# KiCad board ZakladniElektronika.kicad_pcb (continued)
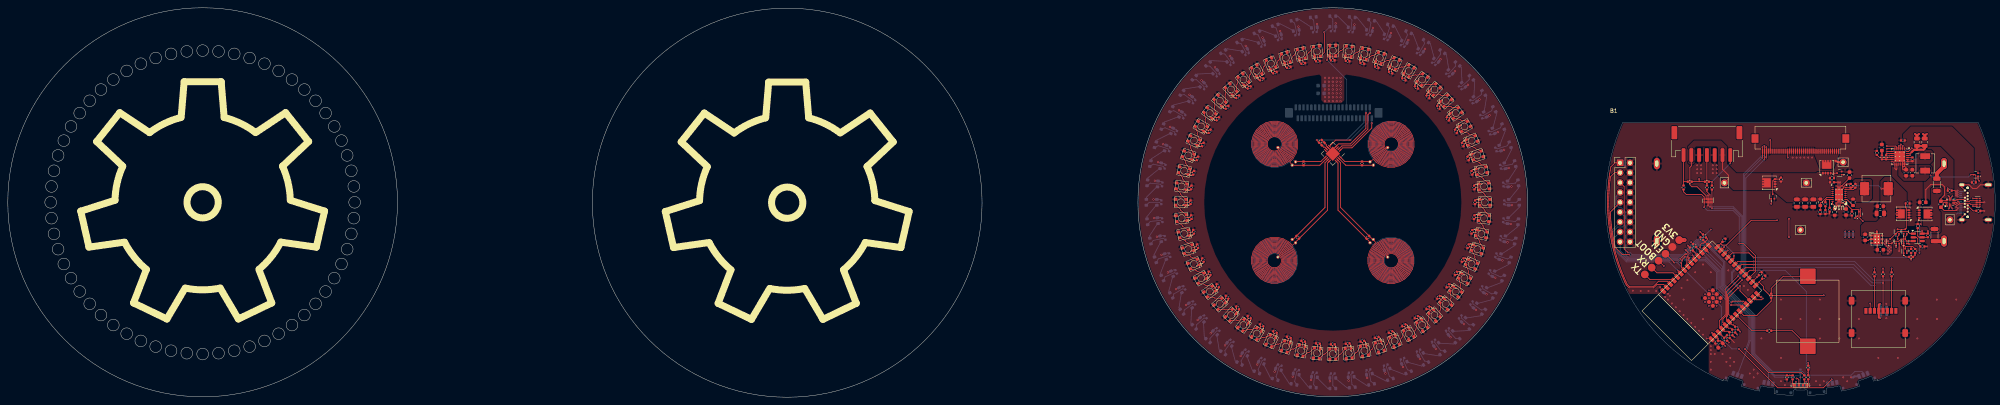
[diagram p0: board, top side]
## Nets (continued)
Net-(D118-DOUT): D118.2 D119.4
Net-(D119-DOUT): D119.2 D120.4
Net-(D125-BK): D125.4 R28.1
Net-(D125-GK): D125.3 R5.1
Net-(D125-RK): D125.2 R11.1
Net-(F1-Pad2): F1.2 U14.3
Net-(F2-Pad2): F2.2 U14.1
Net-(J4-Pin_1): J4.1 R29.1 R48.1
Net-(J4-Pin_4): J4.4 R30.1
Net-(J4-Pin_7): J4.7 R45.1 R49.1
Net-(Q1-D): Q1.3 R1.2 U9.4
Net-(Q2-D): Q2.3 R32.2 U15.4
Net-(Q4-D): Q4.3 Q5.1 U12.1
Net-(Q4-G): Q4.1 Q4.2 Q6.1 Q7.1 Q8.3 R51.2 R52.1
Net-(Q5-D): Q5.3 Q6.3 R40.2 U8.4
Net-(Q6-S): Q6.2 Q7.3 Q8.1 R50.1
Net-(Q9-G): Q9.1 U12.3
Net-(Q28-D): Q5.2 Q28.3
Net-(U1-IN0A): C8.1 L1.2 U1.9
Net-(U1-IN0B): C8.2 L1.1 U1.10
Net-(U1-IN1A): C9.1 L2.2 U1.11
Net-(U1-IN1B): C9.2 L2.1 U1.12
Net-(U1-IN2A): C10.1 L3.2 U1.13
Net-(U1-IN2B): C10.2 L3.1 U1.14
Net-(U1-IN3A): C11.1 L4.2 U1.15
Net-(U1-IN3B): C11.2 L4.1 U1.16
Net-(U3-BTST): C6.2 U3.21
Net-(U3-ILIM): R19.1 U3.10
Net-(U3-PMID): C147.1 C151.1 U3.23
Net-(U3-REGN): C7.1 R20.1 U3.22
Net-(U3-TS): R20.2 R21.2 U3.11
Net-(U7-D): F1.1 F2.1 U7.5
Net-(U12-VCC): C144.1 R26.2 U12.5
Net-(U12-VM): R34.2 U12.2
Net-(U16-BOOT): C148.2 U16.8
Net-(U16-COMP): C158.1 R56.1 U16.18
Net-(U16-FB): R57.2 R58.2 U16.17
Net-(U16-FSW): R54.2 U16.3
Net-(U16-ILIM): R55.1 U16.19
Net-(U16-SS): C150.1 U16.10
Net-(U16-VCC): C155.1 U16.1

Pads without a net: J2 A2 A3 A8 A10 A11 B2 B3 B8 B10 B11; J4 MP; J5 1 8; J10 0 28 29 30 31 32 33 34 35; J11 28 29 30 31 32 33 34 35 MP; L1 -1; L2 -1; L3 -1; L4 -1; SW1 0; SW2 0; SW3 0; SW4 0; SW5 0; U3 12; U5 7; U10 3; U12 4; U13 6 7 9 10; U16 11 12 13

## Via types
v1: diameter 0.45, hole 0.2, Top to Bottom, 277 vias
v2: diameter 0.5, hole 0.3, Top to Bottom, 160 vias

## Routing (per net, layer and track width the routed paths; a pad name or vN(x,y) marks a point on that pad's centre or on a via; arc(x,y) is an arc through that point)
/HlavniDeska/3V3: length 67.9
  Top w0.2: R41.1 v1(479,33.1) ; v1(444.55,16.85) 444.01,17.39 R39.1 ; v1(441.65,14.05) 441.17,14.53 R10.1 ; v1(431.95,39.85) 432.44,39.36 R16.1 ; R9.1 435,41.81 v1(434.3,42.51) ; R37.1 443.26,16.64 v1(443.8,16.1) ; R36.1 v1(481.2,33.1) ; R38.1 442.56,15.94 v1(443.1,15.4) ; v1(437.29,16.61) 438.09,15.81 U11.2 438.09,15.8 438.86,15.03 C135.2 439.4,14.49 C134.2 440.05,13.85 v1(440.75,13.15) ; J11.36 452.25,66.09 v1(452.26,66.1) ; v1(459,4.81) 459.29,4.81 459.61,4.49 D125.1 ; R35.1 v1(483.4,33.1) ; R51.1 v1(489.45,36.59) R50.2 ; R45.2 434,55.4 ; 434,55.4 v1(434,56.1) ; 434,55.4 R48.2 ; R17.1 v1(431.1,39)
  Top w0.5: v1(480.35,24) 480.1,23.74 J5.4 480.1,20.55 v1(480.35,20.3)
  Top w1: v1(430.3,40.4) J7.1
  In1.Cu w0.09: v1(482.85,37.3) 483.8,36.35 489.21,36.35 v1(489.45,36.59)
  In1.Cu w0.2: v1(434,56.1) 434,60.1 440,66.1 v1(452.26,66.1)
  Bottom w0.5: v1(473.5,41.1) v1(473.5,42.6) ; C136.1 480.52,23.82 v1(480.35,24) ; v1(472.5,41.1) v1(472.5,42.6) ; v1(471.5,41.1) v1(471.5,42.6) ; v1(480.35,20.3) 480.52,20.47 C137.1
  vias: v1(435.53,26.47) v1(435.52,24.49) v1(436.52,27.46) v1(436.52,25.48) v1(436.51,23.5) v1(437.5,26.48) v1(437.5,24.49) v1(438.5,25.49) v1(438.5,23.5) v1(438.77,15.12) v1(439.49,24.5) v1(439.52,14.37) v1(481.65,40.1) v1(481.65,39.35) v1(482.05,40.5) v1(482.05,39.75) v1(482.05,38.9) v1(482.45,40.1) v1(482.45,38.5) v1(482.45,37.7) v1(482.45,36.9) v1(482.85,38.9) v1(482.85,38.1) v1(483.25,38.5) v1(483.25,37.7)
/HlavniDeska/5V-OUT: length 2.1
  Top w0.5: 468.95,60.75 469.75,60.4 TP10.1
/HlavniDeska/ModulovyKonektor/5V: length 22.2
  Top w0.2: TP11.1 441.5,56.1 441.5,57.1 440,58.6 J4.2 ; J4.6 432,59.45 431.64,59.09 431.64,54.61 432.15,54.1 433.5,54.1 435.8,51.8 435.8,50.88
/HlavniDeska/SpravceNapajeni/5V-IN: length 0
  Top w0.2: 454.98,55.42 R1.1
/HlavniDeska/SpravceNapajeni/Power multiplier/VCC: length 11.7
  Top w0.2: U16.9 472.88,53.85 C146.1 473.37,53.87 473.5,54 v1(473.5,54.35) ; L5.1 v1(480.8,53.6)
  Bottom w0.2: v1(473.5,54.35) 480.05,54.35 v1(480.8,53.6)
/LedDeska/3V3: length 18.6
  Top w0.2: U1.7 337.97,64.28 337.64,64.28 C4.1 C3.1 335.9,66.02 v2(335.9,66.1)
  Bottom w0.2: v2(335.9,66.1) 343.5,66.1 348,70.6 J10.36
/LedDeska/5V: length 439.7
  Top w0.2: C65.1 314.8,76.93 314.25,77.54 D54.1 ; D58.1 327.64,85.64 327.89,84.85 C69.1 ; D58.1 v2(327.39,86.48) D58.1 ; C35.1 365.2,23.27 365.75,22.66 D24.1 ; D52.1 v2(308.41,72.12) D52.1 ; D52.1 309.11,71.59 309.78,71.1 C63.1 ; D7.1 361.49,80.99 361,80.32 C18.1 ; D7.1 v2(362.02,81.69) D7.1 ; D40.1 v2(309.29,26.86) D40.1 ; D40.1 310.02,27.36 310.69,27.85 C51.1 ; D33.1 v2(332.73,12.29) D33.1 ; D33.1 332.94,13.14 333.11,13.95 C44.1 ; C36.1 362.25,20.79 362.74,20.12 D25.1 ; D15.1 v2(378.21,54.87) D15.1 ; D15.1 377.34,54.8 376.51,54.72 C26.1 ; D22.1 v2(371.59,28.08) D22.1 ; D22.1 370.89,28.61 370.22,29.1 C33.1 ; D54.1 v2(313.68,78.21) D54.1 ; D32.1 v2(336.72,11.73) D32.1 ; D32.1 336.84,12.6 336.92,13.43 C43.1 ; C30.1 375.23,39.47 376.02,39.21 D19.1 ; D24.1 v2(366.32,21.99) D24.1 ; D18.1 v2(377.81,42.83) D18.1 ; D18.1 376.96,43.04 376.15,43.21 C29.1 ; C38.1 355.67,16.8 356.01,16.04 D27.1 ; D4.1 350.89,86.12 350.63,85.33 C15.1 ; D4.1 v2(351.18,86.95) D4.1 ; D57.1 v2(323.66,84.97) D57.1 ; D57.1 323.99,84.16 324.33,83.4 C68.1 ; D2.1 v2(343.28,88.47) D2.1 ; D2.1 343.16,87.6 343.08,86.77 C13.1 ; D9.1 v2(368.11,76.42) D9.1 ; D9.1 367.44,75.85 366.83,75.3 C20.1 ; D3.1 347.06,87.06 346.89,86.25 C14.1 ; D3.1 v2(347.27,87.91) D3.1 ; D21.1 v2(373.72,31.5) D21.1 ; D21.1 372.97,31.96 372.25,32.37 C32.1 ; C59.1 303.85,56.99 303.04,57.16 D48.1 ; D41.1 v2(307.03,30.2) D41.1 ; D41.1 307.8,30.62 308.52,31.03 C52.1 ; C48.1 319,19.88 318.51,19.21 D37.1 ; C28.1 376.67,47.02 377.5,46.94 D17.1 ; D16.1 v2(378.5,50.85) D16.1 ; D16.1 377.62,50.88 376.8,50.88 C27.1 ; D50.1 v2(304.52,65.07) D50.1 ; D50.1 305.31,64.7 306.07,64.36 C61.1 ; D46.1 v2(301.5,49.35) D46.1 ; D46.1 302.38,49.32 303.2,49.32 C57.1 ; D31.1 v2(340.75,11.6) D31.1 ; D31.1 340.77,12.47 340.77,13.3 C42.1 ; C31.1 373.93,35.84 374.69,35.5 D20.1 ; D13.1 v2(376.38,62.71) D13.1 ; D13.1 375.54,62.46 374.75,62.21 C24.1 ; D8.1 364.6,78.58 364.04,77.96 C19.1 ; D8.1 v2(365.2,79.21) D8.1 ; C17.1 357.73,82.35 358.14,83.07 D6.1 ; C47.1 322.27,17.85 321.86,17.13 D36.1 ; D5.1 v2(354.97,85.58) D5.1 ; D5.1 354.6,84.79 354.26,84.03 C16.1 ; D30.1 v2(344.77,11.89) D30.1 ; D30.1 344.7,12.76 344.62,13.59 C41.1 ; D28.1 v2(352.61,13.72) D28.1 ; D28.1 352.36,14.56 352.11,15.35 C39.1 ; D43.1 v2(303.62,37.49) D43.1 ; D43.1 304.46,37.74 305.25,37.99 C54.1 ; D14.1 v2(377.5,58.84) D14.1 ; D14.1 376.64,58.68 375.83,58.51 C25.1 ; D42.1 v2(305.13,33.76) D42.1 ; D42.1 305.94,34.09 306.7,34.43 C53.1 ; D29.1 v2(348.74,12.6) D29.1 ; D29.1 348.58,13.46 348.41,14.27 C40.1 ; D47.1 v2(301.63,53.38) D47.1 ; D47.1 302.5,53.26 303.33,53.18 C58.1 ; D11.1 v2(372.97,70) D11.1 ; D11.1 372.2,69.58 371.48,69.17 C22.1 ; D51.1 v2(306.28,68.7) D51.1 ; D51.1 307.03,68.24 307.75,67.83 C62.1 ; C64.1 312.14,74.14 311.52,74.7 D53.1 ; D34.1 329.11,14.08 329.37,14.87 C45.1 ; D34.1 v2(328.82,13.25) D34.1 ; D27.1 v2(356.34,15.23) D27.1 ; D35.1 v2(325.03,14.62) D35.1 ; D35.1 325.4,15.41 325.74,16.17 C46.1 ; D53.1 v2(310.89,75.3) D53.1 ; D59.1 331.42,86.74 331.59,85.93 C70.1 ; D59.1 v2(331.26,87.6) D59.1 ; D45.1 v2(301.79,45.33) D45.1 ; D45.1 302.66,45.4 303.49,45.48 C56.1 ; D25.1 v2(363.24,19.39) D25.1 ; D44.1 303.36,41.52 304.17,41.69 C55.1 ; D44.1 v2(302.5,41.36) D44.1 ; D23.1 v2(369.11,24.9) D23.1 ; D23.1 368.48,25.5 367.86,26.06 C34.1 ; D39.1 312.56,24.35 313.17,24.9 C50.1 ; D39.1 v2(311.89,23.78) D39.1 ; D55.1 v2(316.76,80.81) D55.1 ; D55.1 317.26,80.08 317.75,79.41 C66.1 ; D60.1 v2(335.23,88.31) D60.1 ; D60.1 335.3,87.44 335.38,86.61 C71.1 ; D26.1 v2(359.9,17.13) D26.1 ; D26.1 359.48,17.9 359.07,18.62 C37.1 ; D37.1 v2(317.98,18.51) D37.1 ; D12.1 v2(374.87,66.44) D12.1 ; D12.1 374.06,66.11 373.3,65.77 C23.1 ; D56.1 320.52,82.3 320.93,81.58 C67.1 ; D56.1 v2(320.1,83.07) D56.1 ; D20.1 v2(375.48,35.13) D20.1 ; C21.1 369.31,72.35 369.98,72.84 D10.1 ; D19.1 v2(376.85,38.92) D19.1 ; D36.1 v2(321.4,16.38) D36.1 ; D49.1 v2(303.15,61.28) D49.1 ; D49.1 303.98,60.99 304.77,60.73 C60.1 ; v2(339.25,88.6) D1.1 339.23,87.72 339.23,86.89 C12.1 ; D6.1 v2(358.6,83.82) D6.1 ; D17.1 v2(378.37,46.82) D17.1 ; C49.1 315.96,22.24 315.4,21.62 D38.1 ; D38.1 v2(314.8,20.99) D38.1 ; D10.1 v2(370.71,73.34) D10.1 ; D48.1 v2(302.19,57.37) D48.1
  Bottom w0.2: C111.1 304.01,23.96 301.9,22.42 D100.1 ; D64.1 354.55,94.89 353.75,92.4 C75.1 ; D77.1 386.84,45.18 384.24,45.45 C88.1 ; C122.1 301.48,72.34 299.21,73.65 D111.1 ; D96.1 316.45,9.31 317.76,11.58 C107.1 ; D90.1 344.92,3.26 344.65,5.86 C101.1 ; D107.1 293.16,55.02 295.76,54.75 C118.1 ; D103.1 295.21,35.55 297.7,36.35 C114.1 ; C130.1 330.75,93.61 330.21,96.17 D119.1 ; C83.1 380.63,68.19 383.03,69.26 D72.1 ; C87.1 384.48,50.1 387.1,50.1 D76.1 ; C99.1 353.75,7.8 354.55,5.31 D88.1 ; D70.1 378.1,77.78 375.99,76.24 C81.1 ; C72.1 340,94.58 340,97.2 D61.1 ; D85.1 367.68,12 366.14,14.11 C96.1 ; D108.1 293.93,59.89 296.49,59.35 C119.1 ; D101.1 299.21,26.55 301.48,27.86 C112.1 ; C104.1 330.75,6.59 330.21,4.03 D93.1 ; D81.1 380.79,26.55 378.52,27.86 C92.1 ; D110.1 296.97,69.26 299.37,68.19 C121.1 ; D83.1 375,18.58 373.06,20.34 C94.1 ; D105.1 293.16,45.18 295.76,45.45 C116.1 ; D80.1 383.03,30.94 380.63,32.01 C91.1 ; C110.1 306.94,20.34 305,18.58 D99.1 ; C129.1 326.25,92.4 325.45,94.89 D118.1 ; D102.1 296.97,30.94 299.37,32.01 C113.1 ; C128.1 321.91,90.73 320.84,93.13 D117.1 ; D87.1 359.16,7.07 358.09,9.47 C98.1 ; C78.1 366.14,86.09 367.68,88.2 D67.1 ; C123.1 304.01,76.24 301.9,77.78 D112.1 ; D78.1 386.07,40.31 383.51,40.85 C89.1 ; D89.1 349.79,4.03 349.25,6.59 C100.1 ; C90.1 382.3,36.35 384.79,35.55 D79.1 ; D68.1 371.52,85.1 369.76,83.16 C79.1 ; D95.1 320.84,7.07 321.91,9.47 C106.1 ; C105.1 326.25,7.8 325.45,5.31 D94.1 ; D115.1 312.32,88.2 313.86,86.09 C126.1 ; D120.1 335.08,96.94 335.35,94.34 C131.1 ; C95.1 369.76,17.04 371.52,15.1 D84.1 ; C102.1 340,5.62 340,3 D91.1 ; C74.1 349.25,93.61 349.79,96.17 D63.1 ; C97.1 362.24,11.58 363.55,9.31 D86.1 ; C76.1 358.09,90.73 359.16,93.13 D65.1 ; D97.1 312.32,12 313.86,14.11 C108.1 ; C80.1 373.06,79.86 375,81.62 D69.1 ; D116.1 316.45,90.89 317.76,88.62 C127.1 ; D113.1 305,81.62 306.94,79.86 C124.1 ; C86.1 384.24,54.75 386.84,55.02 D75.1 ; C84.1 382.3,63.85 384.79,64.65 D73.1 ; D109.1 295.21,64.65 297.7,63.85 C120.1 ; D98.1 308.48,15.1 310.24,17.04 C109.1 ; D66.1 363.55,90.89 362.24,88.62 C77.1 ; D82.1 378.1,22.42 375.99,23.96 C93.1 ; D62.1 344.92,96.94 344.65,94.34 C73.1 ; D114.1 308.48,85.1 310.24,83.16 C125.1 ; C82.1 378.52,72.34 380.79,73.65 D71.1 ; D106.1 292.9,50.1 295.52,50.1 C117.1 ; C103.1 335.35,5.86 335.08,3.26 D92.1 ; D104.1 293.93,40.31 296.49,40.85 C115.1 ; C85.1 383.51,59.35 386.07,59.89 D74.1
GND: length 137.9
  Top w0.09: 483.51,59.91 U3.25 U3.25
  Top w0.2: v1(469.62,55.25) C149.2 ; v1(469.62,55.25) U16.0 ; v1(469.62,55.25) v1(470.18,55.25) U16.0 ; 486.75,59.34 487.1,58.99 C161.2 486.39,58.47 486.25,58.62 486.25,59.34 ; 486.75,59.34 486.25,59.34 ; 486.75,59.34 U3.18 ; C146.2 471.83,54.83 471,54 471,53.7 U16.0 ; v1(492.7,42.7) C144.2 491.27,42.08 U12.6 v1(491.24,42.69) ; 486.25,59.34 U3.17 ; U3.17 U3.18 ; U3.17 486.25,61.15 U3.25 ; Q7.2 487.75,39.52 v1(487.95,39.33) ; J2.B12 501.41,53.95 J2.S1 503.26,54.6 504.18,53.68 505.27,53.68 506.19,54.6 J2.S1 ; U10.7 U10.7 U10.2 477.73,40.6 477.45,40.32 C145.2 ; v1(469.62,49.22) v1(470.18,49.22) U16.0 ; v1(469.62,49.22) U16.0 ; v1(469.62,49.22) 469.38,49.22 469.15,49.45 U16.20 ; v1(500.21,49.81) 499.91,50.1 U2.4 ; U7.4 v1(490.5,45.65) ; 487.23,59.86 487.15,59.94 U3.18 ; U3.25 485.25,62.15 ; U3.25 484.75,62.65 U3.8 482.1,62.65 482,62.55 R21.1 482.01,62.15 ; U3.18 486.75,60.65 U3.25 ; J2.S1 501.41,46.25 J2.B1 ; C133.2 442.99,14.1 ; v1(507.2,50.09) 507.19,50.1 U13.8 U13.3 ; v1(497.55,50.9) 497.54,50.89 U2.8 496.18,50.5 C162.2 496.05,51 496.98,51.93 496.98,54.07 496.38,54.67 493.46,54.67 492.18,53.38 C159.2 ; Q28.2 v1(485.35,37.58) ; C158.2 467.5,47.13 467.49,47.12 C157.2 ; R3.2 v1(507.19,47.9) ; U3.25 U3.25 U3.25 ; v1(436.3,49.25) U5.8 v1(436.3,51.9) ; Q8.2 v1(487.3,37.6) ; R34.1 v1(492.5,38.75) ; U10.7 479.73,39.52 C152.2
  Top w0.5: v1(491.45,67.7) 491.9,67.25 C151.2 491.9,67.2 v1(492.4,67.7) ; 479.58,42.62 479.6,42.6 U10.7 ; U10.7 480,41 U10.7 ; C147.2 489.9,67.2 ; 489.9,67.2 v1(490.4,67.7) ; 489.9,67.2 v1(489.4,67.7) ; U10.7 479.2,40.2 U10.7 ; U10.7 479.2,41 U10.7
  In2.Cu w0.2: U16.0 U16.0 ; U16.0 U16.0 ; U16.0 U16.0 ; U16.0 U16.0 ; U16.0 U16.0 ; U16.0 U16.0 ; U16.0 469.9,54.97 ; U16.0 U16.0 ; U16.0 U16.0 ; U16.0 469.9,49.5 ; U3.25 484.38,63 483.52,63.86 ; U3.25 U3.25 487.38,63.78 487.39,63.78 ; U3.25 U3.25 ; 469.9,54.97 v1(469.62,55.25) ; 469.9,54.97 v1(470.18,55.25) ; 487.31,60.06 487.31,60.09 U3.25 ; U3.25 483.58,59.98 483.58,59.96 ; U3.25 U3.25 ; U3.25 U3.25 ; 469.9,49.5 v1(470.18,49.22) ; 469.9,49.5 v1(469.62,49.22)
  Bottom w0.2: 469.9,49.5 v1(470.18,49.22) ; 469.9,49.5 U16.0 ; 469.9,49.5 v1(469.62,49.22) ; v1(497.55,50.9) 498.34,50.9 R4.2 ; 469.9,54.97 v1(469.62,55.25) ; 469.9,54.97 U16.0 ; 469.9,54.97 v1(470.18,55.25) ; U3.25 U3.25 483.48,59.88 483.48,59.86 ; U3.25 U3.25 487.36,60.04 487.43,60.04 ; U3.25 487.36,63.76 487.45,63.76 ; U3.25 483.46,63.94 483.46,63.95 ; J2.A1 501.91,52.85 J2.B12 ; J2.B1 501.91,47.35 J2.A12 500.32,47.35 499.99,47.02
  Bottom w0.5: U10.7 481.01,40.6 ; SW2.1 473.82,5.35 473.57,5.1 v1(473,5.1) ; U10.7 477.96,40.6
  vias: v1(417,27.4) v1(419,27.3) v1(421,27.3) v1(423,27.3) v1(424,28.3) v1(425.3,25.8) v1(426,26.6) v1(426,25.1) v1(426.5,26.1) v1(427,24.1) v1(428,23.1) v1(429,22.1) v1(429.5,28.1) v1(430,25.1) v1(430,21.1) v1(431,30.1) v1(431,20.1) v1(432,19.1) v1(433,32.1) v1(433,18.1) v1(433.5,59.6) v1(433.5,58.6) v1(433.5,57.6) v1(434,17.1) v1(434.5,59.6) v1(434.5,58.6) v1(434.5,57.6) v1(435,34.1) v1(435,20.1) v1(435,16.1) v1(436,15.1) v1(437,32.1) v1(437,13.1) v1(437,12.1) v1(437,11.1) v1(437,9.1) v1(437,7.1) v1(437.5,59.6) v1(437.5,58.6) v1(437.5,57.6) v1(438,11.1) v1(438.5,59.6) v1(438.5,58.6) v1(438.5,57.6) v1(440,11.1) v1(441,9.1) v1(441.5,32.6) v1(442,10.1) v1(442,8.1) v1(443,9.1) v1(445.5,28.6) v1(446.5,27.6) v1(447,6.1) v1(448,7.1) v1(448,5.1) v1(449,6.1) v1(450,15.1) v1(455,25.1) v1(455,20.1) v1(455,10.1) v1(455,4.1) v1(456,3.1) v1(458,61.6) v1(459,61.6) v1(460,61.6) v1(460,20.1) v1(461,61.6) v1(462,61.6) v1(463,61.6) v1(464,4.1) v1(465,25.1) v1(465,20.1) v1(465,15.1) v1(465,3.1) v1(466,4.1) v1(470,20.1) v1(470,15.1) v1(471,5.1) v1(472,4.1) v1(475,20.1) v1(475,15.1) v1(480,10.1) v1(482.05,24) v1(482.05,20.3) v1(485,10.1) v1(490,20.1) v1(490,15.1) v1(495,25.1) v1(495,20.1) v1(495,20.1) v1(500,25.1)
/HlavniDeska/ESP32S3/BOOT: length 62.2
  Top w0.2: 435.52,39.92 435.21,39.61 434.72,39.61 434.25,39.14 434.25,38.52 v1(434.27,38.49) ; 435.52,39.92 436.48,38.96 U11.27 ; 435.52,39.92 C132.1 ; 435.52,39.92 436.1,40.5 436.1,40.74 R9.2 ; v1(424.95,33.75) J7.4
  In1.Cu w0.2: v1(434.27,38.49) 434.54,38.23 434.54,37.48 430.81,33.75 v1(424.95,33.75)
  Bottom w0.2: v1(434.27,38.49) 439.69,33.08 439.69,28.5 447.4,20.78 447.4,10.76 451.8,6.36 SW4.2
/HlavniDeska/ESP32S3/EN: length 66.7
  Top w0.2: C133.1 440.46,15.25 R10.2 v1(439.69,15.99) 438.98,16.71 U11.3 ; v1(468.03,4.6) 465.87,2.44 454.19,2.44 444.2,12.43 v1(444.19,12.43) ; J7.3 427.6,34.63 v1(427.6,34.6)
  Bottom w0.2: SW5.2 v1(468.03,4.6) ; v1(444.19,12.43) 442.41,12.43 439.69,15.15 v1(439.69,15.99) 439.69,23.3 428.39,34.6 v1(427.6,34.6)
/HlavniDeska/ESP32S3/IO01: length 45.6
  Top w0.2: 411.05,57.48 411.19,58.34 ; 410.55,52.32 410.6,53.19 ; 410.66,54.04 410.73,54.91 ; 411.85,38.6 411.66,39.45 ; 410.54,48 410.52,48.87 ; 413.92,32.02 413.61,32.83 ; 411.17,41.99 411.03,42.85 ; 412.77,35.27 412.52,36.11 ; 410.6,53.18 410.66,54.05 ; 410.93,56.62 411.05,57.48 ; 412.52,36.1 412.28,36.94 ; 410.81,44.56 410.72,45.42 ; 414.93,29.63 415.3,28.85 416.04,28.1 422.3,28.1 423.2,29 424.9,29 U11.39 ; 413.04,34.45 412.77,35.28 ; 411.03,42.84 410.91,43.71 ; 410.65,46.28 410.59,47.15 ; 410.92,43.7 410.81,44.56 ; 410.5,49.73 410.5,50.6 ; 410.72,45.42 410.65,46.28 ; 412.28,36.93 412.06,37.77 ; 414.93,29.63 414.58,30.42 ; 413.32,33.63 413.04,34.46 ; 411.48,40.29 411.32,41.15 ; 410.5,50.59 410.52,51.46 ; 414.58,30.42 414.24,31.22 ; 412.06,37.77 411.85,38.61 ; 410.52,48.87 410.5,49.74 ; 414.24,31.21 413.92,32.02 ; 410.83,55.76 410.93,56.63 ; 410.52,51.46 410.55,52.33 ; 413.61,32.82 413.32,33.64 ; 411.19,58.33 411.34,59.19 412.41,60.26 J1.1 ; 410.73,54.91 410.83,55.77 ; 411.32,41.14 411.17,42 ; 410.59,47.14 410.54,48.01 ; 411.66,39.45 411.48,40.3
/HlavniDeska/ESP32S3/IO02: length 43.5
  Top w0.2: J1.3 412.32,57.72 411.25,56.65 411.25,56.64 411.14,55.79 411.05,54.94 410.97,54.08 410.91,53.23 410.86,52.37 410.83,51.51 410.81,50.65 410.81,49.79 410.82,48.94 410.85,48.08 410.89,47.22 410.95,46.36 411.02,45.51 411.11,44.65 411.21,43.8 411.33,42.95 411.46,42.1 411.61,41.26 411.77,40.41 411.95,39.57 412.14,38.74 412.35,37.9 412.57,37.07 412.8,36.25 413.05,35.43 413.31,34.61 413.59,33.8 413.88,32.99 414.19,32.19 414.51,31.39 414.84,30.6 415.19,29.81 415.55,29.03 416.18,28.4 422.18,28.4 423.57,29.8 425.89,29.8 U11.38
/HlavniDeska/ESP32S3/IO03-PD: length 35.7
  Top w0.2: v1(477.9,24.1) 477.9,22.2 J5.2 ; 449.39,29.61 450.5,28.5 450.5,27.81 452.17,26.14 465.94,26.14 v1(466,26.2) ; 449.39,29.61 450.22,30.45 R8.1 ; 449.39,29.61 U11.15
  In1.Cu w0.2: v1(466,26.2) 475.8,26.2 v1(477.9,24.1)
/HlavniDeska/ESP32S3/IO07: length 42.6
  Top w0.2: v1(444,28.1) 441.58,25.68 441.58,21.29 U11.7 ; R29.2 U5.10 v1(437.3,48.5)
  Bottom w0.2: v1(444,28.1) 443.97,28.1 442.27,29.8 442.27,32.13 444.79,34.64 444.79,46.49 442.77,48.5 v1(437.3,48.5)
/HlavniDeska/ESP32S3/IO08: length 39.1
  Top w0.2: v1(436.8,48.95) U5.9 436.8,52.05 436,52.85 R30.2 ; v1(444.5,28.6) 444.5,27.36 U11.12
  Bottom w0.2: v1(436.8,48.95) 442.75,48.95 445.09,46.61 445.09,34.51 442.57,32 442.57,29.92 443.9,28.6 v1(444.5,28.6)
/HlavniDeska/ESP32S3/IO09: length 38.1
  Top w0.2: v1(444.3,39.5) 445.37,39.5 448.5,36.37 448.5,32.31 U11.17 ; v1(435.3,48.8) U5.6 435.3,51.45 434.65,52.1 430.7,52.1 430,52.8 R49.2
  Bottom w0.2: v1(435.3,48.8) 436.1,48 442.7,48 444.3,46.4 v1(444.3,39.5)
/HlavniDeska/ESP32S3/IO10: length 40.9
  Top w0.2: v1(448,32.61) 447,32.61 U11.18 ; R28.2 v1(462,6.36) R13.2
  Bottom w0.2: v1(462,6.36) 462,7.62 461.5,8.12 461.5,27.21 456.1,32.61 v1(448,32.61)
/HlavniDeska/ESP32S3/IO11: length 45.3
  Top w0.2: U11.19 445.89,33.3 v1(448,33.3) ; J5.3 v1(479,28.7) 479,31.07 R41.2
  Bottom w0.2: v1(448,33.3) 473.5,33.3 478.1,28.7 v1(479,28.7)
/HlavniDeska/ESP32S3/IO12: length 48.4
  Top w0.2: J5.5 v1(481.19,29.4) 481.19,31.08 R36.2 ; U11.20 444.9,34.1 v1(448,34.1)
  Bottom w0.2: v1(448,34.1) 473.7,34.1 478.4,29.4 v1(481.19,29.4)
/HlavniDeska/ESP32S3/IO13: length 51.5
  Top w0.2: U11.21 443.9,34.9 v1(448,34.9) ; R35.2 483.39,31.07 v1(483.39,30.1) J5.7
  Bottom w0.2: v1(483.39,30.1) 478.7,30.1 473.9,34.9 v1(448,34.9)
/HlavniDeska/ESP32S3/IO14: length 52.1
  Top w0.2: 442.44,35.24 442.23,35.03 U11.22 442.93,35.72 v1(442.93,36.37) ; J1.5 414.78,54.13 414.78,38.13 v1(415.69,37.22)
  Bottom w0.2: v1(415.69,37.22) 416.24,37.22 416.86,36.6 429.84,36.6 433.44,40.2 436.5,40.2 438.19,38.51 439.05,38.51 439.06,38.5 439.5,38.5 440.07,39.07 440.75,39.07 442.93,36.89 v1(442.93,36.37)
/HlavniDeska/ESP32S3/IO15: length 9.7
  Top w0.2: U11.8 447.57,17.1 R14.1
/HlavniDeska/ESP32S3/IO16: length 11
  Top w0.2: R15.1 452.5,24.7 448.8,21 445.47,21 U11.9
/HlavniDeska/ESP32S3/IO17: length 56.3
  Top w0.2: v1(442.2,23.7) 444.56,23.7 U11.10
  Bottom w0.2: J1.7 412.67,51.59 412.67,49.47 413.31,48.83 413.94,48.83 415.15,47.62 415.15,36.69 415.84,36 429.49,36 430.43,35.06 435.56,35.06 438.48,32.14 438.48,27.42 v1(442.2,23.7)
/HlavniDeska/ESP32S3/IO18: length 55.3
  Top w0.2: J1.9 411.2,47.58 411.2,47.12 411.22,46.85 411.28,46 411.36,45.15 411.46,44.3 411.57,43.46 411.69,42.61 411.83,41.77 411.98,40.93 412.15,40.09 412.33,39.26 412.53,38.43 414.28,36.68 v1(416.06,36.68) ; U11.11 445.38,24.68 442.62,24.68 v1(442.3,24.36)
  Bottom w0.2: v1(442.3,24.36) 438.78,27.88 438.78,32.27 435.69,35.36 430.6,35.36 429.66,36.3 416.44,36.3 v1(416.06,36.68)
/HlavniDeska/ESP32S3/IO21: length 50
  Top w0.2: R52.2 v1(488.4,35.35) ; v1(448,35.9) 446.8,37.1 442.51,37.1 U11.23
  Bottom w0.2: v1(488.4,35.35) 487.85,35.9 v1(448,35.9)
/HlavniDeska/ESP32S3/IO35: length 110.5
  Top w0.2: v1(436.4,37.2) 436.4,37.25 U11.28 ; v1(484.55,38.6) Q28.1
  In1.Cu w0.2: v1(460,5.1) 460,7.53 461.81,9.34 473.54,9.34 491,26.8 491,37.3 489.7,38.6 v1(484.55,38.6)
  Bottom w0.2: SW3.2 v1(460,5.1) ; v1(460,5.1) 460,5.53 458.65,5.53 458.28,5.16 453.43,5.16 447.7,10.89 447.7,20.91 439.99,28.62 439.99,33.61 v1(436.4,37.2) ; v1(460,5.1) R79.1
/HlavniDeska/ESP32S3/IO36: length 40.4
  Top w0.2: R16.2 433.84,38 v1(433.9,38) 434.69,37.21 U11.29
  Bottom w0.2: SW1.2 447.09,14.49 447.1,14.51 447.1,20.66 439.38,28.37 439.38,32.52 v1(433.9,38)
/HlavniDeska/ESP32S3/IO37: length 71.4
  Top w0.2: R17.2 432.36,37.71 v1(432.84,37.23) 433.79,36.28 U11.30
  Bottom w0.2: SW2.2 475.81,6.62 473.98,6.62 473.02,5.66 461.44,5.66 460.5,6.6 452.84,6.6 448.3,11.14 448.3,21.16 440.59,28.87 440.59,34.83 436.12,39.3 433.85,39.3 432.57,38.03 432.57,37.5 v1(432.84,37.23)
/HlavniDeska/ESP32S3/IO38: length 53
  Top w0.2: R12.1 v1(457.28,5.61) ; v1(457.28,5.61) 457.18,5.61 ; v1(457.28,5.61) R11.2 ; U11.31 432.9,35.86 v1(432.29,36.47)
  Bottom w0.2: v1(457.28,5.61) 453.41,5.61 448,11.02 448,21.03 440.29,28.74 440.29,34.71 436,39 433.97,39 433.34,38.36 433.4,38.3 433.4,37.1 432.77,36.47 v1(432.29,36.47)
/HlavniDeska/ESP32S3/IO39: length 52.2
  Top w0.2: R5.2 460.3,6.31 451.85,6.31 445.78,12.38 v1(445.79,12.38) ; U11.32 431.33,35.14 431.33,35.71 v1(431.44,35.82)
  Bottom w0.2: v1(431.44,35.82) 435.65,35.82 439.08,32.39 439.08,28.25 446.8,20.53 446.8,14.56 446.11,12.7 v1(445.79,12.38)
/HlavniDeska/ESP32S3/IO41: length 32.6
  Top w0.2: U11.34 429.5,33.38 429.5,34.4 v1(429.29,34.6)
  Bottom w0.2: J1.11 414.84,46.44 414.84,44.3 414.3,43.76 413.12,43.76 411.88,42.52 411.88,39.88 411.94,39.62 412.13,38.78 412.24,38.33 415.47,35.09 426.43,35.09 426.44,35.09 428.55,35.09 429.04,34.6 v1(429.29,34.6)
/HlavniDeska/ESP32S3/IO42: length 27.8
  Top w0.2: v1(428.5,32.6) 429.3,31.8 U11.35
  Bottom w0.2: J1.13 411.56,42.86 411.56,39.93 411.64,39.55 411.83,38.71 411.96,38.18 411.96,38.17 415.35,34.79 426.31,34.79 v1(428.5,32.6)
/HlavniDeska/ESP32S3/IO45-PD: length 56.2
  Top w0.2: 439.52,39.48 439.9,39.1 441,39.1 447.37,45.47 v1(454.03,45.47) ; 439.52,39.48 R7.1 ; 439.52,39.48 438.64,38.61 U11.26 ; D122.2 v1(475.4,48.3) ; v1(471.15,57.2) Q2.1
  In1.Cu w0.2: v1(471.15,57.2) 471.95,57.2 475.4,53.75 v1(475.4,48.3) 475.4,46.75 474.1,45.45 454.05,45.45 v1(454.03,45.47)
/HlavniDeska/ESP32S3/IO46-PD: length 46.1
  Top w0.2: D122.1 474.57,46.52 474.08,46.03 v1(473.9,46.03) ; v1(457.05,41.15) v1(457.05,45.9) ; R6.1 449.32,31.34 v1(448.94,30.96) U11.16 ; v1(452.5,49.7) Q1.1
  In1.Cu w0.2: v1(448.94,30.96) 457.05,39.07 v1(457.05,41.15) ; v1(473.9,46.03) 473.77,45.9 v1(457.05,45.9) 456.3,45.9 v1(452.5,49.7)
/HlavniDeska/ESP32S3/IO47: length 39.3
  Top w0.2: v1(441.36,37.74) 440.44,36.82 U11.24 ; v1(430.44,36.16) 429.6,35.32 v1(429.6,35.09)
  Bottom w0.2: 415.53,35.45 415.6,35.39 ; 415.53,35.45 412.51,38.48 412.42,38.85 412.27,39.51 412.27,41.02 J1.15 ; 415.53,35.45 415.59,35.4 428.67,35.4 428.98,35.09 v1(429.6,35.09) ; v1(430.44,36.16) 430.72,36.16 431.81,37.25 431.81,37.63 431.81,37.63 431.81,37.69 433.72,39.6 436.25,39.6 438.11,37.74 v1(441.36,37.74)
/HlavniDeska/ESP32S3/IO48: length 33.9
  Top w0.2: v1(440.43,38.62) 439.53,37.72 U11.25 ; v1(430.7,36.8) 430.41,36.8 v1(429.16,35.55)
  Bottom w0.2: v1(429.16,35.55) 429.01,35.7 415.72,35.7 413.73,37.69 J1.17 ; v1(430.7,36.8) 431.36,37.46 431.36,37.67 433.6,39.9 436.37,39.9 438.08,38.2 440.01,38.2 v1(440.43,38.62)
/HlavniDeska/ESP32S3/RX_ESP: length 7.6
  Top w0.2: J7.5 423.17,31.98 427.3,31.98 U11.36
/HlavniDeska/ESP32S3/TX_ESP: length 8.1
  Top w0.2: U11.37 427.27,30.22 421.41,30.22 J7.6
/HlavniDeska/ESP.D+: length 61.4
  Top w0.19: U11.14 449.72,25.73 449.86,25.73 v1(449.97,25.84)
  Top w0.2: U2.2 498.6,48.9 v1(499,48.5)
  In1.Cu w0.19: v1(449.97,25.84) 450.13,25.84 466.41,42.12 475.21,42.12 476.76,43.67 494.03,43.67 497.5,47.14 498.27,47.14 499,47.86 v1(499,48.5)
/HlavniDeska/ESP.D-: length 66.4
  Top w0.19: U11.13 448.6,25.05 449.96,25.05 450.28,25.37 v1(450.33,25.37)
  Top w0.2: v1(499,51.65) 498.6,51.25 U2.6
  In1.Cu w0.19: v1(499,51.65) 499.46,51.19 499.46,47.7 498.46,46.7 497.68,46.7 494.21,43.23 476.94,43.23 475.39,41.68 466.59,41.68 450.33,25.41 v1(450.33,25.37)
/HlavniDeska/INT: length 88.6
  Top w0.2: U3.7 v1(482.14,63.15) ; v1(451.25,64.29) J11.38 v1(451.25,61.59) ; R38.2 441.54,16.95 440.54,16.95 U11.4 439.18,18.31 439.18,19.64 440.68,21.13 440.68,27.78 v1(444,31.1)
  In1.Cu w0.2: v1(451.25,64.29) 451.49,64.53 480.76,64.53 v1(482.14,63.15)
  Bottom w0.2: v1(451.25,61.59) 450.81,62.03 450.05,62.03 445.39,57.37 445.39,32.78 444,31.39 v1(444,31.1)
/HlavniDeska/IO40: length 42.5
  Top w0.2: J11.27 v1(456.75,61.6) ; U11.33 431.1,33.6 430.87,33.83 430.87,35.89 431.15,36.17 431.15,37.25 v1(430.5,37.9)
  In1.Cu w0.2: v1(456.75,61.6) 438.25,43.1 v1(437,43.1)